# Altium PCB spin5v1_simple.PcbDoc (part 16 of 25)
Units mm, origin at the board's own origin, x right, y up, seen from the top; angles counter-clockwise.
Board outline 220.03 x 233.43 mm, 2 copper layers (TOP, BOTTOM), stack 0.176 mm thick; 1457 components, 4724 nets, 19245 pads, 25289 vias.
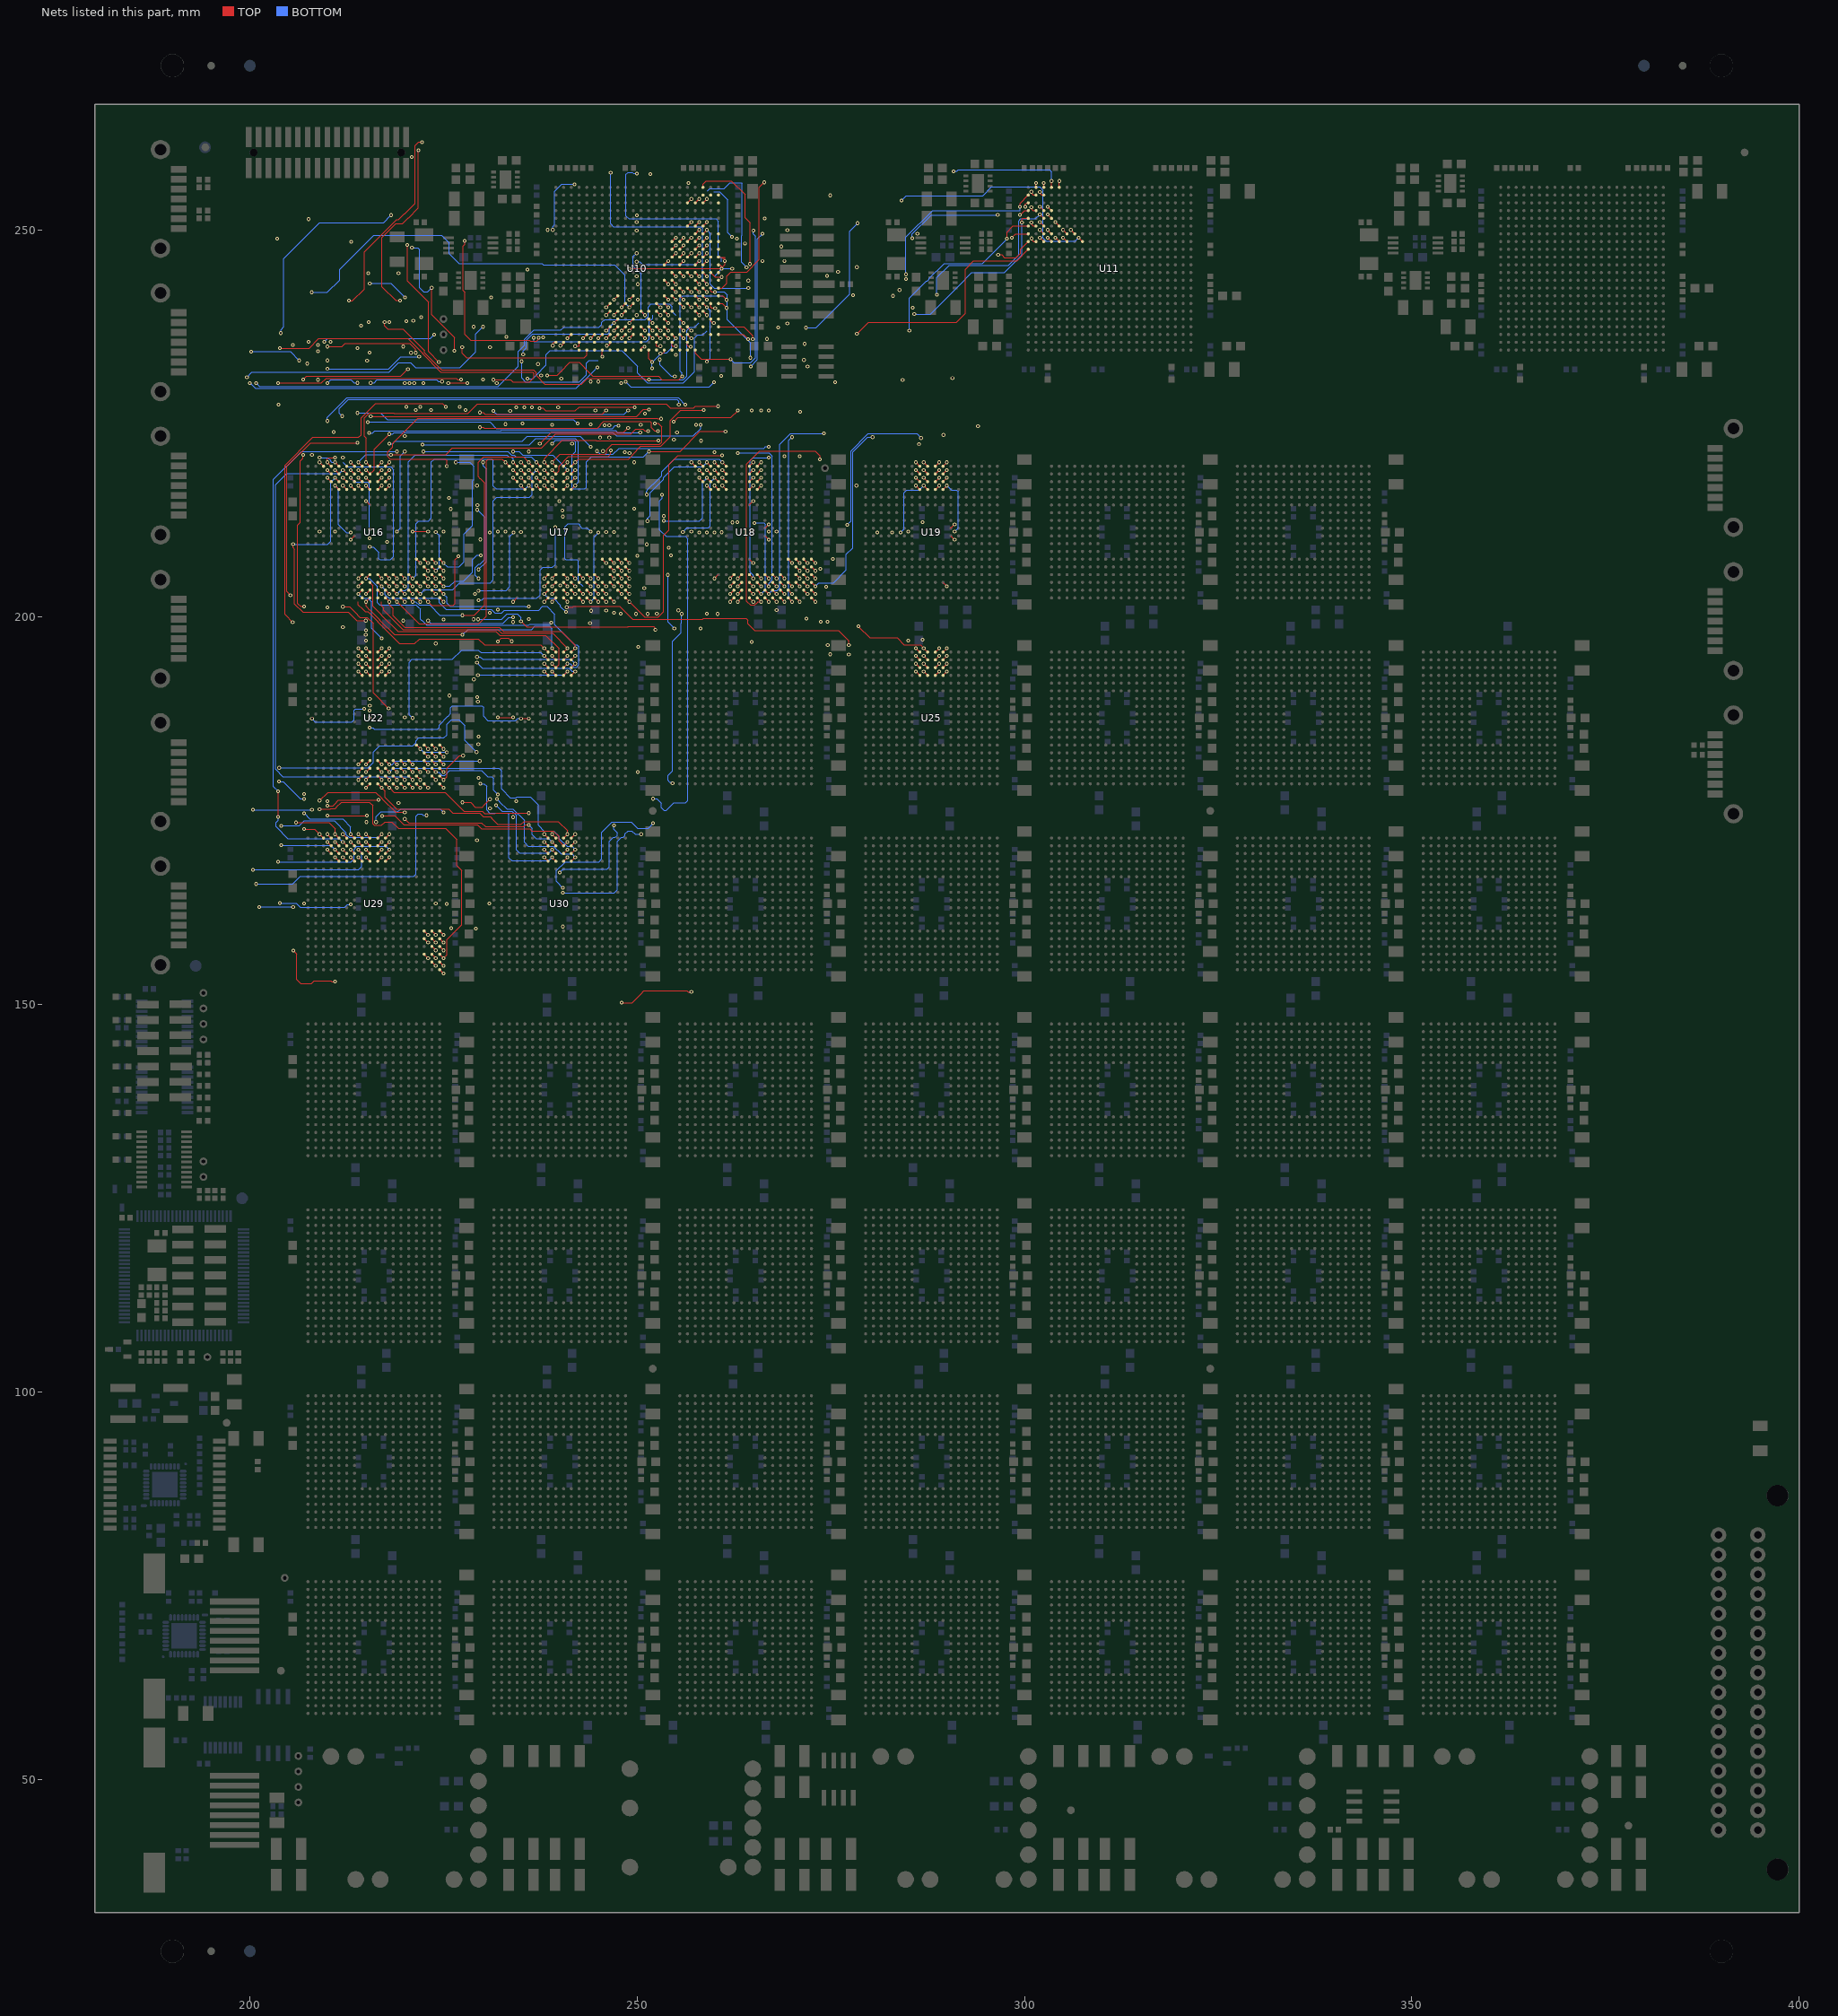
[diagram p16: the nets of this part, all layers, seen from the top]

## Via types
v1: diameter 0.48, hole 0.25, TOP to BOTTOM, 22348 vias
v2: diameter 0.61, hole 0.3, TOP to BOTTOM, 2059 vias
v3: diameter 0.8, hole 0, TOP to BOTTOM, 882 vias

## Nets (pads, with @x,y where several pads share a name; then routed paths per layer and width w, separated by ;. In a path a pad name is that pad's centre, name@x,y a point inside that pad or via, vN(x,y) a via of type N, cw(c..) or ccw(c..) an arc to the next point about the centre after c; other vN are vias at no path point) (continued)
S41_L2<2>: U10.U12 U29.N16 | length 13.2
  BOTTOM w0.127: v1(201.205,162.6) v1(205.572,162.6) ; v1(249.931,247) 249.5,246.569 249.5,245.324 250.5,244.324 250.5,239.5 v1(251,239)
  other v1: 223,159
S41_L2<3>: U10.U13 U29.N17 | length 18.8
  BOTTOM w0.127: v1(236.658,236.065) 236.658,235.569 251.188,235.569 251.569,235.95 251.569,238.178 252,238.609 252,239
  other v1: 224,159 225.403,163 229.327,171.2
S41_L2<4>: U10.V11 U29.N18 | length 47.7
  BOTTOM w0.127: v1(239.999,167.048) 240.43,167.479 246.113,167.479 246.431,167.797 246.431,171.061 246.939,171.569 247.178,171.569 247.431,171.822 247.431,172.178 247,172.609 v1(247,173.116) ; v1(248.532,230.384) 249.171,229.745 259.335,229.745 v1(259.935,230.345) ; v1(254.57,178.569) 254.416,178.723 254.16,178.723 253.961,178.922 253.961,179.594 254.543,180.176 254.543,196.876 255.685,198.018 255.685,199.21 255.751,199.276 v1(255.751,200.433)
  other v1: 225,159 250.093,180 259,210.931 258.249,222.78 249,238
S41_L2<5>: U10.V13 U29.P16 | length 12.6
  TOP w0.127: v1(237.4,227) 237.831,227 238.16,226.671 242.029,226.671 242.498,227.14 249.196,227.14 249.234,227.102 v1(249.665,227.102)
  other v1: 223,158 224,163.069 225.927,213.992 252,238
S41_L2<6>: U10.W11 U29.P17
  other v1: 224,158 234,199.389 240.069,204.099 249.007,221.2 249,237
S41_L2<7>: U10.W12 U29.P18 | length 17.4
  BOTTOM w0.127: v1(240.399,164.434) 247.05,164.434 247.431,164.815 247.431,171.061 247.939,171.569 248.178,171.569 248.431,171.822 248.431,172.05 248.812,172.431 249.311,172.431 249.742,172 v1(250.522,172)
  other v1: 225,158 251,237
S41_L2<8>: U10.W13 U29.V18 | length 9.7
  TOP w0.127: v1(248,150.234) 249.343,150.234 250.486,151.377 250.486,151.399 250.883,151.796 256.415,151.796 256.569,151.642 v1(257,151.642)
  other v1: 225,154 229.177,159.8 257,211.069 260.865,231.152 252,237
S41_L2<9>: U10.Y11 U29.R17
  other v1: 224,157 230.927,163.069 230.985,210.931 231,234.85 249,236
S41_L2<10>: U10.Y12 U29.R18
  other v1: 225,157 231,175.32 229.742,210.051 236.4,227.097 251,236
S41_L2<11>: U10.Y13 U29.T16
  other v1: 223,156 226.009,159.854 233.6,226.632 252,236
S41_L2<12>: U10.AA12 U29.T17 | length 9.3
  TOP w0.127: v1(205.61,156.962) 206.041,156.531 206.041,153.216 206.549,152.708 207.957,152.708 208.303,153.054 210.487,153.054 210.569,152.972 v1(211,152.972)
  other v1: 224,156 221.4,226.759 207.587,235.549
S41_L2<13>: U10.AB11 U29.T18 | length 38.4
  TOP w0.127: v1(209,175.226) 210.395,175.226 210.466,175.297 210.994,175.297 211.193,175.496 211.193,175.503 211.828,176.138 215.418,176.138 215.863,175.693 215.863,173.329 216.062,173.13 217.003,173.13 217.462,173.589 218.336,173.589 219.163,172.762 225.279,172.762 226.74,171.301 226.74,167.95 227.366,167.324 227.366,160.307 225.431,158.372 225.431,156.431 v1(225,156)
  other v1: 210.825,223.908 222.007,227.159 220.2,238.224
S41_L2<14>: U10.AB12 U29.U17 | length 2
  TOP w0.127: v1(232,187.067) v1(234,187.067)
  other v1: 224,155 236,199.751 250.037,207.931 250.951,234.901
S41_L2<15>: U10.AB13 U29.U18 | length 68.8
  BOTTOM w0.127: v1(240.399,165.065) 239.568,165.896 239.568,167.288 240.711,168.431 245.05,168.431 245.431,168.812 245.431,172.213 246.765,173.547 249.257,173.547 250.035,172.769 251.433,172.769 v1(252.064,173.4) ; v1(252.064,176.578) 252.56,176.578 253.132,176.006 253.132,175.405 253.45,175.087 253.779,175.087 254.718,176.026 256.229,176.026 256.547,176.344 256.547,210.113 256.229,210.431 253.737,210.431 252.911,211.257 252.911,215.055 253.225,215.369 v1(253.225,215.8)
  other v1: 225,155 240.399,160.067
S41_L3<0>: U10.R9 U29.D11 | length 26
  BOTTOM w0.127: v1(203.994,236.687) 203.994,237.118 204.363,237.487 204.363,246.319 208.999,250.955 217.265,250.955 v1(218.227,251.917)
  other v1: 218,169 247,241
S41_L3<1>: U10.R11 U29.A10 | length 14.4
  BOTTOM w0.127: v1(204.035,173.076) 206.396,173.076 207.029,173.709 210.907,173.709 212.431,172.185 212.431,171.95 212.812,171.569 216.569,171.569 v1(217,172)
  other v1: 249,241
S41_L3<2>: U10.T10 U29.B10 | length 11.5
  BOTTOM w0.127: v1(223,199.565) 223.351,199.214 232.665,199.214 233.447,199.996 v1(234,199.996)
  other v1: 217,171 247,211 248,240
S41_L3<3>: U10.T11 U29.C10 | length 51.6
  BOTTOM w0.127: v1(207.994,241.954) 210.003,241.954 211.591,243.542 211.591,244.907 215.973,249.289 224.754,249.289 225.707,248.336 225.707,246.955 226.977,245.685 237.71,245.685 237.883,245.512 247.097,245.512 248.431,244.178 248.431,240.569 v1(249,240)
  other v1: 207,163.066 217,170
S41_L3<4>: U10.U9 U29.D10
  other v1: 217,169 246.4,223.2 247,239
S41_L3<5>: U10.U10 U29.A11 | length 25.1
  TOP w0.127: v1(212.802,240.865) 213.245,240.865 214.769,242.389 214.769,247.141 218.96,251.332 219.207,251.332 219.944,252.069 219.994,252.069 221.328,253.403 221.328,260.888 221.773,261.333 v1(222.234,261.333)
  other v1: 218,172 215.487,188.6 248,239
S41_L3<6>: U10.V9 U29.B11 | length 14.6
  BOTTOM w0.127: v1(235.286,233.935) 235.286,234.366 235.693,234.773 235.693,235.743 236.519,236.569 246.232,236.569 246.431,236.768 246.431,237.431 v1(247,238)
  other v1: 218,171 219.8,234.949
S41_L3<7>: U10.W9 U29.C11 | length 43
  BOTTOM w0.127: v1(203.636,168.434) 213.05,168.434 213.431,168.815 213.431,170.05 213.812,170.431 217.569,170.431 v1(218,170) ; v1(218,222.4) 218.431,222.4 218.746,222.715 235.153,222.715 235.777,223.339 242.661,223.339 v1(244,222)
  other v1: 247,237 218,238.088
S41_L3<8>: U10.W10 U29.D9 | length 50.9
  TOP w0.127: v1(203.857,234.739) 207.651,234.739 208.892,235.98 220.381,235.98 222.286,234.075 222.286,234.011 224.636,231.661 236.496,231.661 236.695,231.462 236.695,230.94 236.123,230.368 233.97,230.368 233.677,230.661 v1(231.438,230.661)
  BOTTOM w0.127: v1(203.86,163.108) 205.988,163.108 206.527,162.569 212.207,162.569 212.569,162.931 v1(213,162.931)
  other v1: 215,169 239.931,214.997 248,237
S41_L3<9>: U10.Y9 U29.A8
  other v1: 214,172 245.2,223.2 247,236
S41_L3<10>: U10.Y10 U29.B8 | length 32.9
  BOTTOM w0.127: v1(215.2,225.201) 230.985,225.201 231.817,224.369 246.807,224.369 247.17,224.732 v1(247.601,224.732)
  other v1: 214,171 248,236
S41_L3<11>: U10.AA8 U29.C8 | length 51.6
  BOTTOM w0.127: v1(199.604,230.964) 200.27,231.63 217.977,231.63 219.209,232.862 220.776,232.862 221.408,232.23 227.099,232.23 229.131,234.262 229.131,236.545 229.202,236.616 229.219,236.616 v1(230.1,237.497) ; v1(200.404,167.411) 206.24,167.411 206.26,167.431 214.05,167.431 214.431,167.812 214.431,169.569 v1(214,170)
  other v1: 230.1,230.691 246.099,235.066
S41_L3<12>: U10.AA10 U29.D8
  other v1: 214,169 239.8,227.102 220.2,227.159 208.8,234.347
S41_L3<13>: U10.AB8 U29.A9
  other v1: 215,172 210,201.284 221.214,230.231 210.4,235.549
S41_L3<14>: U10.AB9 U29.B9
  other v1: 215,171 244.6,226.697
S41_L3<15>: U10.AB10 U29.C9 | length 62.8
  TOP w0.127: v1(205.522,199.361) 204.505,200.378 204.505,219.62 208.125,223.24 214.046,223.24 214.364,223.558 214.364,225.748 216.206,227.59 224.876,227.59 v1(225.307,227.159) ; v1(229.7,226.432) 230.131,226.432 230.362,226.201 245.504,226.201 v1(246,226.697)
  other v1: 215,170
S41_L4<0>: U10.T8 U29.D7
  other v1: 213,169 208,220.969 246,240 213.073,248.458
S41_L4<1>: U10.U8 U29.A6 | length 14.6
  BOTTOM w0.127: v1(209.6,235.549) 210.031,235.98 223.287,235.98 v1(223.807,236.5)
  other v1: 212,172 210,176.264 246,239
S41_L4<2>: U10.W8 U29.B6 | length 72.1
  TOP w0.127: v1(203.636,174.217) v1(203.636,177.546)
  BOTTOM w0.127: v1(203.636,174.217) 203.636,173.786 203.35,173.5 203.35,172.955 204.874,171.431 211.569,171.431 v1(212,171) ; v1(203.636,177.546) 203.05,178.132 203.05,217.78 206.67,221.4 v1(219,221.4)
  other v1: 233.1,236.183 246,237
S41_L4<3>: U10.Y3 U29.C6
  other v1: 212,170 241,236
S41_L4<4>: U10.Y5 U29.D6 | length 4.2
  BOTTOM w0.127: v1(203.735,178.8) 204.278,178.8 206.12,176.958 206.12,176.955 206.517,176.558 v1(207,176.558)
  other v1: 212,169 203.685,227.445 243,236 203.502,248.889 249.931,249.901 238.434,250
S41_L4<5>: U10.Y6 U29.A7 | length 36.7
  BOTTOM w0.127: v1(207,174.708) 207.745,173.963 211.984,173.963 213,172.947 v1(213,172) ; v1(213.867,226.371) 216.883,226.371 217.719,225.535 241.798,225.535 v1(242.333,225)
  other v1: 244,236
S41_L4<6>: U10.Y7 U29.B7
  other v1: 213,171 207,177.165 222.407,230.231 207.4,232.753 245,236
S41_L4<7>: U10.Y8 U29.C7 | length 53.9
  BOTTOM w0.127: v1(200.004,230.23) 200.689,229.545 242.145,229.545 244.431,231.831 ; v1(200.404,175.139) v1(208,175.139) ; 244.431,231.832 v1(244.865,232.266)
  other v1: 213,170 246,236
S41_L4<8>: U10.AA1 U29.D5 | length 12.5
  BOTTOM w0.127: v1(210,232.061) 217.917,232.061 219.486,233.63 v1(221.855,233.63)
  other v1: 211,169 239.099,235.066
S41_L4<9>: U10.AA2 U29.A3 | length 2.3
  TOP w0.127: v1(206.984,172.646) 208.354,172.646 v1(209,172)
  other v1: 208.8,230.661 215.139,233.118 240.099,235.067
S41_L4<10>: U10.AA4 U29.A4 | length 4.2
  BOTTOM w0.127: v1(210,230.23) 210.431,230.661 213.036,230.661 213.436,230.261 v1(213.867,230.261)
  other v1: 210,172 242,235
S41_L4<11>: U10.AA6 U29.B4 | length 12.4
  TOP w0.127: v1(210,234.942) 211.882,234.942 212.32,235.38 220.62,235.38 221.414,234.586 v1(221.414,234.137)
  other v1: 210,171
S41_L4<12>: U10.AB4 U29.C4 | length 34.6
  TOP w0.127: v1(206.875,220.969) 206.875,220.538 206.506,220.169 206.506,212.262 206.138,211.894 206.138,201.79 206.535,201.393 v1(207,201.393) ; v1(206.875,230.676) 207.314,231.115 219.491,231.115 v1(220.407,232.031)
  other v1: 210,170
S41_L4<13>: U10.AB5 U29.A5 | length 51.2
  TOP w0.127: v1(205.229,202.854) 204.759,203.324 204.759,219.468 207.807,222.516 v1(213.867,222.516) ; v1(205.965,173.508) 210.206,173.508 211,172.714 v1(211,172) ; v1(227.406,234.864) 227.406,234.076 227.978,233.504 243.182,233.504 243.5,233.822 U10.AB5@243.5,234.5
S41_L4<14>: U10.AB6 U29.B5
  other v1: 211,171 210,233.153 220.807,234.137
S41_L4<15>: U10.AB7 U29.C5 | length 45.4
  TOP w0.127: v1(203.639,230.23) 209.231,230.23 209.862,230.861 226.659,230.861 226.829,230.691 v1(227.26,230.691)
  BOTTOM w0.127: v1(204.034,170.566) 210.434,170.566 v1(211,170) ; v1(235.086,233.03) 235.086,230.876 235.594,230.368 242.499,230.368 243.452,231.321 243.452,232.81 243.77,233.128 244.965,233.128
  other v1: 245.5,233.625
S42_L0<0>: U22.R11 U30.D11 | length 26.7
  BOTTOM w0.127: v1(218,181) 218.391,181 218.822,181.431 v1(229.665,181.431) ; v1(231.9,176.531) 232.231,176.2 232.231,176.182 233.184,175.229 233.97,175.229 235.431,173.768 235.431,170.939 235.939,170.431 239.185,170.431 240.185,169.431 241.569,169.431 v1(242,169)
S42_L0<1>: U22.V10 U30.A10 | length 27.6
  TOP w0.127: v1(217,178) 217.431,177.569 217.431,176.77 218.955,175.246 225.676,175.246 226.201,174.721 229.659,174.721 230.149,174.231 231.075,174.231 231.202,174.104 231.202,174.046 231.996,173.252 234.994,173.252 235.389,173.647 239.793,173.647 241,172.44 v1(241,172)
S42_L0<2>: U22.U10 U30.B10 | length 25.4
  TOP w0.127: v1(217.083,174.361) 218.715,174.361 219.86,173.216 229.384,173.216 229.915,172.685 236.127,172.685 236.381,172.431 239.192,172.431 239.891,171.732 239.891,171.109 U30.B10@240.5,170.5
  other v1: 241,171 217,179
S42_L0<3>: U22.T10 U30.C10
  other v1: 241,170 234.4,176.27 217,180
S42_L0<4>: U22.R10 U30.D10
  other v1: 241,169 217,181
S42_L0<5>: U22.V11 U30.A11 | length 19.4
  TOP w0.127: v1(218,178) 218.597,177.403 225.233,177.403 227.661,174.975 229.988,174.975 230.328,174.635 231.642,174.635 231.728,174.721 v1(236,174.721)
  other v1: 242,172
S42_L0<6>: U22.U11 U30.B11
  other v1: 242,171 218,179
S42_L0<7>: U22.T11 U30.C11 | length 31.7
  BOTTOM w0.127: v1(218,180) 218.493,180.493 232.167,180.493 232.485,180.175 232.485,177.844 233.628,176.701 234.392,176.701 234.47,176.779 236.215,176.779 237.231,175.763 237.231,173.13 237.93,172.431 239.24,172.431 239.939,171.732 239.939,171.447 240.955,170.431 241.569,170.431 v1(242,170)
S42_L0<8>: U22.R9 U30.D9 | length 28.6
  BOTTOM w0.127: v1(216.294,173.561) 216.294,174.231 216.929,174.866 219.078,174.866 219.458,175.246 224.569,175.246 v1(225,174.815) ; v1(229.764,178.501) 230.251,178.501 230.569,178.183 230.569,175.118 230.966,174.721 233.232,174.721 233.431,174.522 233.431,168.949 233.812,168.568 238.568,168.568 v1(239,169)
  other v1: 215,181
S42_L0<9>: U22.V8 U30.A8
  other v1: 238,172 219.191,176.015
S42_L0<10>: U22.U8 U30.B8 | length 24.1
  TOP w0.127: v1(235,186.931) v1(236,186.931)
  BOTTOM w0.127: v1(215.447,185.742) 215.878,185.742 216.051,185.569 224.232,185.569 224.431,185.768 224.431,186.092 225.574,187.235 225.591,187.235 225.909,187.553 225.909,188.335 226.163,188.589 229.961,188.589 230.16,188.39 230.16,187.208 230.732,186.636 234.274,186.636 234.569,186.931 v1(235,186.931)
  other v1: 238,171 214,179
S42_L0<11>: U22.T8 U30.C8 | length 4.3
  TOP w0.127: v1(227.427,176.109) 228.486,176.109 229.106,175.489 229.998,175.489 230.316,175.807 230.316,175.836 v1(231,176.52)
  other v1: 238,170 214,180
S42_L0<12>: U22.R8 U30.D8
  other v1: 238,169 214,181
S42_L0<13>: U22.V9 U30.A9
  other v1: 239,172 233.999,174.202 215,178
S42_L0<14>: U22.U9 U30.B9 | length 20.9
  TOP w0.127: v1(220,173.961) 220.491,173.47 229.921,173.47 230.393,172.998 235.367,172.998 235.569,173.2 v1(236,173.2)
  BOTTOM w0.127: v1(236,173.2) 236.431,172.769 236.431,171.939 236.939,171.431 238.569,171.431 v1(239,171)
  other v1: 215.058,173.561 215,179
S42_L0<15>: U22.T9 U30.C9 | length 12.5
  BOTTOM w0.127: v1(231.8,175.72) 232.545,174.975 233.859,174.975 234.431,174.403 234.431,169.949 234.812,169.568 238.568,169.568 v1(239,170)
  other v1: 215,180
S42_L1<0>: U16.D7 U22.V16
  other v1: 223,178 229.514,179.278 225.763,189.887 217.705,209.742 213,217
S42_L1<1>: U16.A6 U22.V14 | length 22.6
  BOTTOM w0.127: 212,220 212.569,219.431 218.18,219.431 218.561,219.05 218.561,207.831 218.164,207.434 216.783,207.434 216.656,207.561 216.656,208.373 215.957,209.072 v1(215.487,209.072)
  other v1: 221,178 215,198.337
S42_L1<2>: U16.B6 U22.U14 | length 64.5
  BOTTOM w0.127: v1(212,219) 211.569,218.569 204.765,218.569 203.304,217.108 203.304,180.384 204.257,179.431 220.569,179.431 v1(221,179)
S42_L1<3>: U16.C6 U22.T14
  other v1: 221,180 212,218
S42_L1<4>: U16.D6 U22.R14
  other v1: 221,181 211,211.067 212,217
S42_L1<5>: U16.A7 U22.V15
  other v1: 222,178 213,220
S42_L1<6>: U16.B7 U22.U15
  other v1: 222,179 212,198.737 213,219 212,220.607
S42_L1<7>: U16.C7 U22.T15 | length 8.6
  BOTTOM w0.127: v1(213,218) 213.569,217.431 215.18,217.431 215.434,217.177 v1(215.434,211.365)
  other v1: 222,180 214.958,197.73 215,215
S42_L1<8>: U16.D5 U22.R13 | length 7.2
  BOTTOM w0.127: v1(211,217) 211.432,216.568 211.432,211.947 212.448,210.931 v1(213,210.931)
  other v1: 220,181 215.487,189.465 213,210
S42_L1<9>: U16.A3 U22.V12 | length 6.9
  TOP w0.127: v1(210,175.657) 210.74,175.657 210.939,175.856 210.939,175.884 211.447,176.392 216.147,176.392 216.17,176.415 v1(216.601,176.415)
  other v1: 219,178 209,220
S42_L1<10>: U16.A4 U22.U12 | length 18.2
  TOP w0.127: v1(210,220) 210,220.48 210.127,220.607 v1(211,220.607) ; v1(212,201.365) 212.869,201.365 213.504,200.73 213.504,200.702 214.21,199.996 215.156,199.996 215.918,199.234 215.918,190.236 v1(217.912,188.242)
  other v1: 219,179
S42_L1<11>: U16.B4 U22.T12 | length 5.1
  TOP w0.127: v1(210,174.394) v1(215.089,174.394)
  other v1: 219,180 209,211.067 210,219
S42_L1<12>: U16.C4 U22.R12 | length 8.3
  BOTTOM w0.127: v1(208,186.931) 208.431,186.5 213.185,186.5 213.439,186.754 213.439,187.973 213.638,188.172 v1(214.737,188.172)
  other v1: 219,181 210,218
S42_L1<13>: U16.A5 U22.V13 | length 14.8
  TOP w0.127: v1(209,176.334) 210.069,177.403 216.238,177.403 217.032,176.609 217.032,176.593 218.81,174.815 v1(220,174.815)
  BOTTOM w0.127: v1(209,220.607) 210.034,220.607 210.431,220.21 210.431,220.127 210.558,220 v1(211,220)
  other v1: 220,178
S42_L1<14>: U16.B5 U22.U13
  other v1: 220,179 215.447,187.965 215.434,210.173 211,219
S42_L1<15>: U16.C5 U22.T13 | length 31.3
  TOP w0.127: v1(205.569,209.431) 205.569,209 205.775,208.794 205.775,201.733 206.855,200.653 212.71,200.653 213.798,199.565 v1(214.958,199.565)
  BOTTOM w0.127: v1(205.569,209.431) 210.05,209.431 210.431,209.812 210.431,217.431 v1(211,218)
  other v1: 220,180 219.8,199.565
S42_L2<0>: U10.M16 U22.R16 | length 32.6
  BOTTOM w0.127: v1(203.785,180.569) 215.24,180.569 215.939,181.268 215.939,182.605 216.765,183.431 221.05,183.431 221.431,183.812 221.431,184.05 221.812,184.431 225.05,184.431 225.431,184.812 225.431,186.194 226.003,186.766 226.992,186.766 227.754,186.004 227.754,184.1 v1(229.265,182.589)
  other v1: 223,181 255,244 207.59,251.387
S42_L2<1>: U10.N16 U22.N15 | length 22.2
  BOTTOM w0.127: v1(222,183) 222.432,182.568 v1(225.431,182.568) ; v1(229.503,202.2) 229.934,202.2 230.165,202.431 237.048,202.431 237.493,202.876 237.493,206.113 237.811,206.431 239.053,206.431 239.434,206.812 v1(239.434,211.631)
  other v1: 255,243
S42_L2<2>: U10.P16 U22.N16 | length 9.5
  BOTTOM w0.127: v1(215.6,230.261) 216.031,230.261 216.432,230.662 224.136,230.662 224.368,230.43 v1(224.799,230.43)
  other v1: 223,183 215.435,187.035 255,242
S42_L2<3>: U10.P17 U22.N17
  other v1: 224,183 229.435,189.096 240.331,213.77 256,242
S42_L2<4>: U10.R16 U22.N18
  other v1: 225,183 229.342,189.703 235,210.999 240.422,213 255,241
S42_L2<5>: U10.R17 U22.P16
  other v1: 223,182 220,230.23 244,230.43 256,241
S42_L2<6>: U10.T17 U22.P17 | length 10
  BOTTOM w0.127: v1(229.359,213.865) 230.279,212.945 230.279,207.415 229.707,206.843 229.528,206.843 229.083,206.398 229.083,205.432 v1(229.515,205)
  other v1: 224,182 256,240
S42_L2<7>: U10.U16 U22.P18 | length 92.4
  BOTTOM w0.127: v1(200.805,165.569) 205.507,165.569 206.504,166.566 221.177,166.566 221.431,166.82 221.431,174.291 221.749,174.609 222.192,174.609 222.369,174.432 v1(222.8,174.432) ; v1(200.805,230.23) 201.236,229.799 232.051,229.799 234.655,232.403 234.655,234.339 235.439,235.123 235.439,235.855 236.646,237.062 240.177,237.062 240.547,237.432 245.05,237.432 245.431,237.813 245.431,238.05 245.812,238.431 251.05,238.431 251.431,238.812 251.431,240.05 251.812,240.431 254.191,240.431 254.509,240.113 254.509,239.491 255,239
  other v1: 225,182
S42_L2<8>: U10.V17 U22.V18 | length 2.1
  TOP w0.127: v1(232,196.862) 232.431,197.293 233.4,197.293 v1(233.8,196.893)
  other v1: 225,178 229.49,183.6 246,211 245.6,221.455 256,238
S42_L2<9>: U10.W17 U22.R17
  other v1: 224,181 249.607,220 256,237
S42_L2<10>: U10.Y16 U22.R18 | length 5.5
  BOTTOM w0.127: v1(251.931,232.133) 251.931,232.888 253.201,234.158 253.796,234.158 254.431,234.793 254.431,235.431 v1(255,236)
  other v1: 225,181 229.535,184.6 235.2,225 251.951,232.954 253,234.065
S42_L2<11>: U10.Y17 U22.T16
  other v1: 223,180 256,236
S42_L2<12>: U10.AA16 U22.T17 | length 10.7
  BOTTOM w0.127: v1(224,180) 224.391,180 224.822,179.569 225.178,179.569 225.482,179.873 225.482,179.921 225.8,180.239 229.912,180.239 230.72,179.431 231.216,179.431 231.47,179.177 231.47,177.668 v1(232,177.138)
  other v1: 232,211.067 249.607,214.007 229.373,214.472 255,235
S42_L2<13>: U10.AA18 U22.T18
  other v1: 225,180 225,211.068 233,224.925 256.931,234.901
S42_L2<14>: U10.AB17 U22.U17
  other v1: 224,179 225,199.705
S42_L2<15>: U10.AB18 U22.U18 | length 28.9
  TOP w0.127: v1(225,179) 225.431,179.431 225.431,180.486 227.082,182.137 v1(227.516,182.137) ; v1(235,199.493) 235.746,198.747 248.811,198.747 248.853,198.789 252.119,198.789 252.359,198.549 v1(252.359,198.358)
  BOTTOM w0.127: v1(229.472,199.744) 232.51,199.744 233.193,200.427 234.555,200.427 235,199.982 v1(235,199.493)
  other v1: 228.922,191.974
S42_L3<0>: U10.L15 U22.D11
  other v1: 218,193 234.4,227.102 254,246
S42_L3<1>: U10.N15 U22.A10
  other v1: 217,196 214.999,197 222.107,238.76 250.069,241 254,243
S42_L3<2>: U10.R15 U22.B10
  other v1: 217,195 254,241
S42_L3<3>: U10.T14 U22.C10

## Text inside footprints (layer, text, board x,y; h text height)
U10: PIN_NUMBER "B14" at 251.54,254.75 h0.8; PIN_NUMBER "A14" at 251.54,255.75 h0.8; PIN_NUMBER "D13" at 250.54,252.75 h0.8; PIN_NUMBER "C13" at 250.54,253.75 h0.8; PIN_NUMBER "C3" at 240.86,253.75 h0.8; PIN_NUMBER "Y19" at 256.54,236.75 h0.8; PIN_NUMBER "AA21" at 258.22,235.75 h0.8; PIN_NUMBER "Y4" at 241.86,236.75 h0.8; PIN_NUMBER "F17" at 254.54,250.75 h0.8; PIN_NUMBER "V6" at 243.86,238.75 h0.8; PIN_NUMBER "U11" at 248.54,239.75 h0.8; PIN_NUMBER "R6" at 243.86,241.75 h0.8; PIN_NUMBER "R10" at 247.54,241.75 h0.8; PIN_NUMBER "R12" at 249.54,241.75 h0.8; PIN_NUMBER "M15" at 252.54,244.75 h0.8; PIN_NUMBER "L8" at 245.86,245.75 h0.8; PIN_NUMBER "K15" at 252.54,246.75 h0.8; PIN_NUMBER "H9" at 246.86,248.75 h0.8; PIN_NUMBER "G12" at 249.54,249.75 h0.8; PIN_NUMBER "H15" at 252.54,248.75 h0.8; PIN_NUMBER "F11" at 248.54,250.75 h0.8; PIN_NUMBER "N8" at 245.86,243.75 h0.8; PIN_NUMBER "A7" at 244.86,255.75 h0.8; PIN_NUMBER "E8" at 245.86,251.75 h0.8; PIN_NUMBER "D8" at 245.86,252.75 h0.8; PIN_NUMBER "B9" at 246.86,254.75 h0.8; PIN_NUMBER "C10" at 247.54,253.75 h0.8; PIN_NUMBER "E10" at 247.54,251.75 h0.8; PIN_NUMBER "D12" at 249.54,252.75 h0.8; PIN_NUMBER "B13" at 250.54,254.75 h0.8; PIN_NUMBER "E13" at 250.54,251.75 h0.8; PIN_NUMBER "D14" at 251.54,252.75 h0.8; PIN_NUMBER "A15" at 252.54,255.75 h0.8; PIN_NUMBER "G17" at 254.54,249.75 h0.8; PIN_NUMBER "B16" at 253.54,254.75 h0.8; PIN_NUMBER "A16" at 253.54,255.75 h0.8; PIN_NUMBER "E18" at 255.54,251.75 h0.8; PIN_NUMBER "D15" at 252.54,252.75 h0.8; PIN_NUMBER "C15" at 252.54,253.75 h0.8; PIN_NUMBER "AA3" at 240.54,235.75 h0.8; PIN_NUMBER "AB20" at 257.22,234.75 h0.8; PIN_NUMBER "B8" at 245.86,254.75 h0.8; PIN_NUMBER "A8" at 245.86,255.75 h0.8; PIN_NUMBER "D9" at 246.86,252.75 h0.8; PIN_NUMBER "C9" at 246.86,253.75 h0.8; PIN_NUMBER "B6" at 243.86,254.75 h0.8; PIN_NUMBER "A6" at 243.86,255.75 h0.8; PIN_NUMBER "D7" at 244.86,252.75 h0.8; PIN_NUMBER "C7" at 244.86,253.75 h0.8; PIN_NUMBER "A12" at 249.54,255.75 h0.8; PIN_NUMBER "A10" at 247.54,255.75 h0.8; PIN_NUMBER "B10" at 247.54,254.75 h0.8; PIN_NUMBER "B12" at 249.54,254.75 h0.8; PIN_NUMBER "E9" at 246.86,251.75 h0.8; PIN_NUMBER "D11" at 248.54,252.75 h0.8; PIN_NUMBER "F12" at 249.54,250.75 h0.8; PIN_NUMBER "C11" at 248.54,253.75 h0.8; PIN_NUMBER "E12" at 249.54,251.75 h0.8; PIN_NUMBER "D5" at 242.86,252.75 h0.8; PIN_NUMBER "F9" at 246.86,250.75 h0.8; PIN_NUMBER "G8" at 245.86,249.75 h0.8; PIN_NUMBER "H11" at 248.54,248.75 h0.8; PIN_NUMBER "H10" at 247.54,248.75 h0.8; PIN_NUMBER "F10" at 247.54,250.75 h0.8; PIN_NUMBER "G9" at 246.86,249.75 h0.8; PIN_NUMBER "G11" at 248.54,249.75 h0.8; PIN_NUMBER "H12" at 249.54,248.75 h0.8; PIN_NUMBER "F15" at 252.54,250.75 h0.8; PIN_NUMBER "F14" at 251.54,250.75 h0.8; PIN_NUMBER "F16" at 253.54,250.75 h0.8; PIN_NUMBER "E16" at 253.54,251.75 h0.8; PIN_NUMBER "G13" at 250.54,249.75 h0.8; PIN_NUMBER "H13" at 250.54,248.75 h0.8; PIN_NUMBER "G15" at 252.54,249.75 h0.8; PIN_NUMBER "H14" at 251.54,248.75 h0.8; PIN_NUMBER "E6" at 243.86,251.75 h0.8; PIN_NUMBER "E5" at 242.86,251.75 h0.8; PIN_NUMBER "C17" at 254.54,253.75 h0.8; PIN_NUMBER "A18" at 255.54,255.75 h0.8; PIN_NUMBER "A19" at 256.54,255.75 h0.8; PIN_NUMBER "D17" at 254.54,252.75 h0.8; PIN_NUMBER "C4" at 241.86,253.75 h0.8; PIN_NUMBER "F8" at 245.86,250.75 h0.8; PIN_NUMBER "F7" at 244.86,250.75 h0.8; PIN_NUMBER "C5" at 242.86,253.75 h0.8; PIN_NUMBER "V20" at 257.54,238.75 h0.8; PIN_NUMBER "V18" at 255.54,238.75 h0.8; PIN_NUMBER "U17" at 254.54,239.75 h0.8; PIN_NUMBER "P15" at 252.54,242.75 h0.8; PIN_NUMBER "T16" at 253.54,240.75 h0.8; PIN_NUMBER "AB2" at 239.54,234.75 h0.8; PIN_NUMBER "G16" at 253.54,249.75 h0.8; PIN_NUMBER "AB21" at 258.22,234.75 h0.8; PIN_NUMBER "AA20" at 257.22,235.75 h0.8; PIN_NUMBER "Y20" at 257.54,236.75 h0.8; PIN_NUMBER "U18" at 255.54,239.75 h0.8; PIN_NUMBER "L16" at 253.54,245.75 h0.8; PIN_NUMBER "J18" at 255.54,247.75 h0.8; PIN_NUMBER "E19" at 256.54,251.75 h0.8; PIN_NUMBER "B4" at 241.86,254.75 h0.8; PIN_NUMBER "F6" at 243.86,250.75 h0.8; PIN_NUMBER "G10" at 247.54,249.75 h0.8; PIN_NUMBER "G14" at 251.54,249.75 h0.8; PIN_NUMBER "A17" at 254.54,255.75 h0.8; PIN_NUMBER "E17" at 254.54,251.75 h0.8; PIN_NUMBER "B19" at 256.54,254.75 h0.8; PIN_NUMBER "L7" at 244.86,245.75 h0.8; PIN_NUMBER "F4" at 241.86,250.75 h0.8; PIN_NUMBER "V8" at 245.86,238.75 h0.8; PIN_NUMBER "T9" at 246.86,240.75 h0.8; PIN_NUMBER "V12" at 249.54,238.75 h0.8; PIN_NUMBER "T13" at 250.54,240.75 h0.8; PIN_NUMBER "V16" at 253.54,238.75 h0.8; PIN_NUMBER "C2" at 239.86,253.75 h0.8; PIN_NUMBER "C21" at 258.54,253.75 h0.8; PIN_NUMBER "R2" at 239.86,241.75 h0.8; PIN_NUMBER "G2" at 239.86,249.75 h0.8; PIN_NUMBER "AA7" at 244.54,235.75 h0.8; PIN_NUMBER "AA19" at 256.22,235.75 h0.8; PIN_NUMBER "W21" at 258.54,237.75 h0.8; PIN_NUMBER "L21" at 258.54,245.75 h0.8; PIN_NUMBER "G21" at 258.54,249.75 h0.8; PIN_NUMBER "R21" at 258.54,241.75 h0.8; PIN_NUMBER "AA11" at 248.22,235.75 h0.8; PIN_NUMBER "L2" at 239.86,245.75 h0.8; PIN_NUMBER "AB3" at 240.54,234.75 h0.8; PIN_NUMBER "AA15" at 252.22,235.75 h0.8; PIN_NUMBER "W2" at 239.86,237.75 h0.8; PIN_NUMBER "N18" at 255.54,243.75 h0.8; PIN_NUMBER "U5" at 242.86,239.75 h0.8; PIN_NUMBER "N5" at 242.86,243.75 h0.8; PIN_NUMBER "J5" at 242.86,247.75 h0.8; PIN_NUMBER "W5" at 242.86,237.75 h0.8; PIN_NUMBER "J10" at 247.54,247.75 h0.8; PIN_NUMBER "J12" at 249.54,247.75 h0.8; PIN_NUMBER "J14" at 251.54,247.75 h0.8; PIN_NUMBER "J8" at 245.86,247.75 h0.8; PIN_NUMBER "K11" at 248.54,246.75 h0.8; PIN_NUMBER "K13" at 250.54,246.75 h0.8; PIN_NUMBER "K9" at 246.86,246.75 h0.8; PIN_NUMBER "L10" at 247.54,245.75 h0.8; PIN_NUMBER "L12" at 249.54,245.75 h0.8; PIN_NUMBER "L14" at 251.54,245.75 h0.8; PIN_NUMBER "M11" at 248.54,244.75 h0.8; PIN_NUMBER "M13" at 250.54,244.75 h0.8; PIN_NUMBER "M9" at 246.86,244.75 h0.8; PIN_NUMBER "P11" at 248.54,242.75 h0.8; PIN_NUMBER "P13" at 250.54,242.75 h0.8; PIN_NUMBER "P9" at 246.86,242.75 h0.8; PIN_NUMBER "R14" at 251.54,241.75 h0.8; PIN_NUMBER "N10" at 247.54,243.75 h0.8; PIN_NUMBER "N12" at 249.54,243.75 h0.8; PIN_NUMBER "N14" at 251.54,243.75 h0.8; PIN_NUMBER "D20" at 257.54,252.75 h0.8; PIN_NUMBER "A21" at 258.54,255.75 h0.8; PIN_NUMBER "D19" at 256.54,252.75 h0.8; PIN_NUMBER "D18" at 255.54,252.75 h0.8; PIN_NUMBER "C22" at 259.54,253.75 h0.8; PIN_NUMBER "C20" at 257.54,253.75 h0.8; PIN_NUMBER "C19" at 256.54,253.75 h0.8; PIN_NUMBER "C18" at 255.54,253.75 h0.8; PIN_NUMBER "B22" at 259.54,254.75 h0.8; PIN_NUMBER "B21" at 258.54,254.75 h0.8; PIN_NUMBER "B20" at 257.54,254.75 h0.8; PIN_NUMBER "F22" at 259.54,250.75 h0.8; PIN_NUMBER "F21" at 258.54,250.75 h0.8; PIN_NUMBER "E22" at 259.54,251.75 h0.8; PIN_NUMBER "E20" at 257.54,251.75 h0.8; PIN_NUMBER "D22" at 259.54,252.75 h0.8; PIN_NUMBER "D21" at 258.54,252.75 h0.8; PIN_NUMBER "A20" at 257.54,255.75 h0.8; PIN_NUMBER "L17" at 254.54,245.75 h0.8; PIN_NUMBER "K22" at 259.54,246.75 h0.8; PIN_NUMBER "K21" at 258.54,246.75 h0.8; PIN_NUMBER "K20" at 257.54,246.75 h0.8; PIN_NUMBER "K19" at 256.54,246.75 h0.8; PIN_NUMBER "K18" at 255.54,246.75 h0.8; PIN_NUMBER "K17" at 254.54,246.75 h0.8; PIN_NUMBER "K16" at 253.54,246.75 h0.8; PIN_NUMBER "J17" at 254.54,247.75 h0.8; PIN_NUMBER "M22" at 259.54,244.75 h0.8; PIN_NUMBER "M21" at 258.54,244.75 h0.8; PIN_NUMBER "M20" at 257.54,244.75 h0.8; PIN_NUMBER "L22" at 259.54,245.75 h0.8; PIN_NUMBER "L20" at 257.54,245.75 h0.8; PIN_NUMBER "L19" at 256.54,245.75 h0.8; PIN_NUMBER "J16" at 253.54,247.75 h0.8; PIN_NUMBER "H19" at 256.54,248.75 h0.8; PIN_NUMBER "H18" at 255.54,248.75 h0.8; PIN_NUMBER "H17" at 254.54,248.75 h0.8; PIN_NUMBER "H16" at 253.54,248.75 h0.8; PIN_NUMBER "G22" at 259.54,249.75 h0.8; PIN_NUMBER "G20" at 257.54,249.75 h0.8; PIN_NUMBER "G19" at 256.54,249.75 h0.8; PIN_NUMBER "F20" at 257.54,250.75 h0.8; PIN_NUMBER "F19" at 256.54,250.75 h0.8; PIN_NUMBER "J22" at 259.54,247.75 h0.8; PIN_NUMBER "J20" at 257.54,247.75 h0.8; PIN_NUMBER "J19" at 256.54,247.75 h0.8; PIN_NUMBER "H22" at 259.54,248.75 h0.8; PIN_NUMBER "H21" at 258.54,248.75 h0.8; PIN_NUMBER "H20" at 257.54,248.75 h0.8; PIN_NUMBER "F18" at 255.54,250.75 h0.8; PIN_NUMBER "W18" at 255.54,237.75 h0.8; PIN_NUMBER "V22" at 259.54,238.75 h0.8; PIN_NUMBER "V21" at 258.54,238.75 h0.8; PIN_NUMBER "V19" at 256.54,238.75 h0.8; PIN_NUMBER "U19" at 256.54,239.75 h0.8; PIN_NUMBER "T19" at 256.54,240.75 h0.8; PIN_NUMBER "T18" at 255.54,240.75 h0.8; PIN_NUMBER "R19" at 256.54,241.75 h0.8; PIN_NUMBER "P19" at 256.54,242.75 h0.8; PIN_NUMBER "AB19" at 256.22,234.75 h0.8; PIN_NUMBER "Y22" at 259.54,236.75 h0.8; PIN_NUMBER "Y21" at 258.54,236.75 h0.8; PIN_NUMBER "Y18" at 255.54,236.75 h0.8; PIN_NUMBER "W22" at 259.54,237.75 h0.8; PIN_NUMBER "W20" at 257.54,237.75 h0.8; PIN_NUMBER "P18" at 255.54,242.75 h0.8; PIN_NUMBER "R20" at 257.54,241.75 h0.8; PIN_NUMBER "P22" at 259.54,242.75 h0.8; PIN_NUMBER "P21" at 258.54,242.75 h0.8; PIN_NUMBER "P20" at 257.54,242.75 h0.8; PIN_NUMBER "N22" at 259.54,243.75 h0.8; PIN_NUMBER "N20" at 257.54,243.75 h0.8; PIN_NUMBER "N19" at 256.54,243.75 h0.8; PIN_NUMBER "M19" at 256.54,244.75 h0.8; PIN_NUMBER "M18" at 255.54,244.75 h0.8; PIN_NUMBER "U22" at 259.54,239.75 h0.8; PIN_NUMBER "U20" at 257.54,239.75 h0.8; PIN_NUMBER "T22" at 259.54,240.75 h0.8; PIN_NUMBER "T21" at 258.54,240.75 h0.8; PIN_NUMBER "T20" at 257.54,240.75 h0.8; PIN_NUMBER "R22" at 259.54,241.75 h0.8; PIN_NUMBER "M17" at 254.54,244.75 h0.8; PIN_NUMBER "W15" at 252.54,237.75 h0.8; PIN_NUMBER "W14" at 251.54,237.75 h0.8; PIN_NUMBER "V15" at 252.54,238.75 h0.8; PIN_NUMBER "U15" at 252.54,239.75 h0.8; PIN_NUMBER "U14" at 251.54,239.75 h0.8; PIN_NUMBER "T15" at 252.54,240.75 h0.8; PIN_NUMBER "T14" at 251.54,240.75 h0.8; PIN_NUMBER "R15" at 252.54,241.75 h0.8; PIN_NUMBER "N15" at 252.54,243.75 h0.8; PIN_NUMBER "AB16" at 253.22,234.75 h0.8; PIN_NUMBER "AB15" at 252.22,234.75 h0.8; PIN_NUMBER "AB14" at 251.22,234.75 h0.8; PIN_NUMBER "AA14" at 251.22,235.75 h0.8; PIN_NUMBER "Y15" at 252.54,236.75 h0.8; PIN_NUMBER "Y14" at 251.54,236.75 h0.8; PIN_NUMBER "L15" at 252.54,245.75 h0.8; PIN_NUMBER "W17" at 254.54,237.75 h0.8; PIN_NUMBER "V17" at 254.54,238.75 h0.8; PIN_NUMBER "U16" at 253.54,239.75 h0.8; PIN_NUMBER "T17" at 254.54,240.75 h0.8; PIN_NUMBER "R17" at 254.54,241.75 h0.8; PIN_NUMBER "R16" at 253.54,241.75 h0.8; PIN_NUMBER "P17" at 254.54,242.75 h0.8; PIN_NUMBER "P16" at 253.54,242.75 h0.8; PIN_NUMBER "N16" at 253.54,243.75 h0.8; PIN_NUMBER "AB18" at 255.22,234.75 h0.8; PIN_NUMBER "AB17" at 254.22,234.75 h0.8; PIN_NUMBER "AA18" at 255.22,235.75 h0.8; PIN_NUMBER "AA16" at 253.22,235.75 h0.8; PIN_NUMBER "Y17" at 254.54,236.75 h0.8; PIN_NUMBER "Y16" at 253.54,236.75 h0.8; PIN_NUMBER "M16" at 253.54,244.75 h0.8; PIN_NUMBER "AA2" at 239.54,235.75 h0.8; PIN_NUMBER "AA1" at 238.54,235.75 h0.8; PIN_NUMBER "Y8" at 245.86,236.75 h0.8; PIN_NUMBER "Y7" at 244.86,236.75 h0.8; PIN_NUMBER "Y6" at 243.86,236.75 h0.8; PIN_NUMBER "Y5" at 242.86,236.75 h0.8; PIN_NUMBER "Y3" at 240.86,236.75 h0.8; PIN_NUMBER "W8" at 245.86,237.75 h0.8; PIN_NUMBER "U8" at 245.86,239.75 h0.8; PIN_NUMBER "AB7" at 244.54,234.75 h0.8; PIN_NUMBER "AB6" at 243.54,234.75 h0.8; PIN_NUMBER "AB5" at 242.54,234.75 h0.8; PIN_NUMBER "AB4" at 241.54,234.75 h0.8; PIN_NUMBER "AA6" at 243.54,235.75 h0.8; PIN_NUMBER "AA4" at 241.54,235.75 h0.8; PIN_NUMBER "T8" at 245.86,240.75 h0.8; PIN_NUMBER "Y9" at 246.86,236.75 h0.8; PIN_NUMBER "W10" at 247.54,237.75 h0.8; PIN_NUMBER "W9" at 246.86,237.75 h0.8; PIN_NUMBER "V9" at 246.86,238.75 h0.8; PIN_NUMBER "U9" at 246.86,239.75 h0.8; PIN_NUMBER "T11" at 248.54,240.75 h0.8; PIN_NUMBER "T10" at 247.54,240.75 h0.8; PIN_NUMBER "R11" at 248.54,241.75 h0.8; PIN_NUMBER "AB10" at 247.22,234.75 h0.8; PIN_NUMBER "AB9" at 246.54,234.75 h0.8; PIN_NUMBER "AB8" at 245.54,234.75 h0.8; PIN_NUMBER "AA10" at 247.22,235.75 h0.8; PIN_NUMBER "AA8" at 245.54,235.75 h0.8; PIN_NUMBER "Y10" at 247.54,236.75 h0.8; PIN_NUMBER "R9" at 246.86,241.75 h0.8; PIN_NUMBER "Y11" at 248.54,236.75 h0.8; PIN_NUMBER "W13" at 250.54,237.75 h0.8; PIN_NUMBER "W12" at 249.54,237.75 h0.8; PIN_NUMBER "W11" at 248.54,237.75 h0.8; PIN_NUMBER "V13" at 250.54,238.75 h0.8; PIN_NUMBER "V11" at 248.54,238.75 h0.8; PIN_NUMBER "U13" at 250.54,239.75 h0.8; PIN_NUMBER "U12" at 249.54,239.75 h0.8; PIN_NUMBER "T12" at 249.54,240.75 h0.8; PIN_NUMBER "AB13" at 250.22,234.75 h0.8; PIN_NUMBER "AB12" at 249.22,234.75 h0.8; PIN_NUMBER "AB11" at 248.22,234.75 h0.8; PIN_NUMBER "AA12" at 249.22,235.75 h0.8; PIN_NUMBER "Y13" at 250.54,236.75 h0.8; PIN_NUMBER "Y12" at 249.54,236.75 h0.8; PIN_NUMBER "R13" at 250.54,241.75 h0.8; PIN_NUMBER "R8" at 245.86,241.75 h0.8; PIN_NUMBER "R7" at 244.86,241.75 h0.8; PIN_NUMBER "R4" at 241.86,241.75 h0.8; PIN_NUMBER "R3" at 240.86,241.75 h0.8; PIN_NUMBER "R1" at 238.86,241.75 h0.8; PIN_NUMBER "P8" at 245.86,242.75 h0.8; PIN_NUMBER "P7" at 244.86,242.75 h0.8; PIN_NUMBER "P6" at 243.86,242.75 h0.8; PIN_NUMBER "P5" at 242.86,242.75 h0.8; PIN_NUMBER "T6" at 243.86,240.75 h0.8; PIN_NUMBER "T5" at 242.86,240.75 h0.8; PIN_NUMBER "T4" at 241.86,240.75 h0.8; PIN_NUMBER "T3" at 240.86,240.75 h0.8; PIN_NUMBER "T2" at 239.86,240.75 h0.8; PIN_NUMBER "T1" at 238.86,240.75 h0.8; PIN_NUMBER "P4" at 241.86,242.75 h0.8; PIN_NUMBER "V7" at 244.86,238.75 h0.8; PIN_NUMBER "V5" at 242.86,238.75 h0.8; PIN_NUMBER "V3" at 240.86,238.75 h0.8; PIN_NUMBER "V2" at 239.86,238.75 h0.8; PIN_NUMBER "V1" at 238.86,238.75 h0.8; PIN_NUMBER "U6" at 243.86,239.75 h0.8; PIN_NUMBER "U4" at 241.86,239.75 h0.8; PIN_NUMBER "U3" at 240.86,239.75 h0.8; PIN_NUMBER "U1" at 238.86,239.75 h0.8; PIN_NUMBER "Y2" at 239.86,236.75 h0.8; PIN_NUMBER "Y1" at 238.86,236.75 h0.8; PIN_NUMBER "W6" at 243.86,237.75 h0.8; PIN_NUMBER "W4" at 241.86,237.75 h0.8; PIN_NUMBER "W3" at 240.86,237.75 h0.8; PIN_NUMBER "W1" at 238.86,237.75 h0.8; PIN_NUMBER "T7" at 244.86,240.75 h0.8; PIN_NUMBER "K6" at 243.86,246.75 h0.8; PIN_NUMBER "K5" at 242.86,246.75 h0.8; PIN_NUMBER "K4" at 241.86,246.75 h0.8; PIN_NUMBER "K3" at 240.86,246.75 h0.8; PIN_NUMBER "K2" at 239.86,246.75 h0.8; PIN_NUMBER "K1" at 238.86,246.75 h0.8; PIN_NUMBER "J7" at 244.86,247.75 h0.8; PIN_NUMBER "J6" at 243.86,247.75 h0.8; PIN_NUMBER "J4" at 241.86,247.75 h0.8; PIN_NUMBER "L6" at 243.86,245.75 h0.8; PIN_NUMBER "L4" at 241.86,245.75 h0.8; PIN_NUMBER "L3" at 240.86,245.75 h0.8; PIN_NUMBER "L1" at 238.86,245.75 h0.8; PIN_NUMBER "K8" at 245.86,246.75 h0.8; PIN_NUMBER "K7" at 244.86,246.75 h0.8; PIN_NUMBER "J3" at 240.86,247.75 h0.8; PIN_NUMBER "N3" at 240.86,243.75 h0.8; PIN_NUMBER "N1" at 238.86,243.75 h0.8; PIN_NUMBER "M8" at 245.86,244.75 h0.8; PIN_NUMBER "M7" at 244.86,244.75 h0.8; PIN_NUMBER "M6" at 243.86,244.75 h0.8; PIN_NUMBER "M5" at 242.86,244.75 h0.8; PIN_NUMBER "M4" at 241.86,244.75 h0.8; PIN_NUMBER "M3" at 240.86,244.75 h0.8; PIN_NUMBER "M2" at 239.86,244.75 h0.8; PIN_NUMBER "P3" at 240.86,242.75 h0.8; PIN_NUMBER "P2" at 239.86,242.75 h0.8; PIN_NUMBER "P1" at 238.86,242.75 h0.8; PIN_NUMBER "N7" at 244.86,243.75 h0.8; PIN_NUMBER "N6" at 243.86,243.75 h0.8; PIN_NUMBER "N4" at 241.86,243.75 h0.8; PIN_NUMBER "M1" at 238.86,244.75 h0.8; PIN_NUMBER "D2" at 239.86,252.75 h0.8; PIN_NUMBER "D1" at 238.86,252.75 h0.8; PIN_NUMBER "C1" at 238.86,253.75 h0.8; PIN_NUMBER "B3" at 240.86,254.75 h0.8; PIN_NUMBER "B2" at 239.86,254.75 h0.8; PIN_NUMBER "B1" at 238.86,254.75 h0.8; PIN_NUMBER "A5" at 242.86,255.75 h0.8; PIN_NUMBER "A4" at 241.86,255.75 h0.8; PIN_NUMBER "A3" at 240.86,255.75 h0.8; PIN_NUMBER "F1" at 238.86,250.75 h0.8; PIN_NUMBER "E4" at 241.86,251.75 h0.8; PIN_NUMBER "E3" at 240.86,251.75 h0.8; PIN_NUMBER "E1" at 238.86,251.75 h0.8; PIN_NUMBER "D4" at 241.86,252.75 h0.8; PIN_NUMBER "D3" at 240.86,252.75 h0.8; PIN_NUMBER "A2" at 239.86,255.75 h0.8; PIN_NUMBER "H2" at 239.86,248.75 h0.8; PIN_NUMBER "H1" at 238.86,248.75 h0.8; PIN_NUMBER "G7" at 244.86,249.75 h0.8; PIN_NUMBER "G6" at 243.86,249.75 h0.8; PIN_NUMBER "G4" at 241.86,249.75 h0.8; PIN_NUMBER "G3" at 240.86,249.75 h0.8; PIN_NUMBER "G1" at 238.86,249.75 h0.8; PIN_NUMBER "F5" at 242.86,250.75 h0.8; PIN_NUMBER "F3" at 240.86,250.75 h0.8; PIN_NUMBER "J1" at 238.86,247.75 h0.8; PIN_NUMBER "H8" at 245.86,248.75 h0.8; PIN_NUMBER "H6" at 243.86,248.75 h0.8; PIN_NUMBER "H5" at 242.86,248.75 h0.8; PIN_NUMBER "H4" at 241.86,248.75 h0.8; PIN_NUMBER "H3" at 240.86,248.75 h0.8; PIN_NUMBER "F2" at 239.86,250.75 h0.8; PIN_NUMBER "W19" at 256.54,237.75 h0.8; PIN_NUMBER "R18" at 255.54,241.75 h0.8; PIN_NUMBER "P14" at 251.54,242.75 h0.8; PIN_NUMBER "M12" at 249.54,244.75 h0.8; PIN_NUMBER "M14" at 251.54,244.75 h0.8; PIN_NUMBER "L13" at 250.54,245.75 h0.8; PIN_NUMBER "L18" at 255.54,245.75 h0.8; PIN_NUMBER "K14" at 251.54,246.75 h0.8; PIN_NUMBER "J15" at 252.54,247.75 h0.8; PIN_NUMBER "G18" at 255.54,249.75 h0.8; PIN_NUMBER "C6" at 243.86,253.75 h0.8; PIN_NUMBER "D6" at 243.86,252.75 h0.8; PIN_NUMBER "E7" at 244.86,251.75 h0.8; PIN_NUMBER "C8" at 245.86,253.75 h0.8; PIN_NUMBER "B7" at 244.86,254.75 h0.8; PIN_NUMBER "J9" at 246.86,247.75 h0.8; PIN_NUMBER "D10" at 247.54,252.75 h0.8; PIN_NUMBER "K10" at 247.54,246.75 h0.8; PIN_NUMBER "E11" at 248.54,251.75 h0.8; PIN_NUMBER "J11" at 248.54,247.75 h0.8; PIN_NUMBER "L11" at 248.54,245.75 h0.8; PIN_NUMBER "C12" at 249.54,253.75 h0.8; PIN_NUMBER "K12" at 249.54,246.75 h0.8; PIN_NUMBER "F13" at 250.54,250.75 h0.8; PIN_NUMBER "J13" at 250.54,247.75 h0.8; PIN_NUMBER "C14" at 251.54,253.75 h0.8; PIN_NUMBER "E14" at 251.54,251.75 h0.8; PIN_NUMBER "E15" at 252.54,251.75 h0.8; PIN_NUMBER "C16" at 253.54,253.75 h0.8; PIN_NUMBER "D16" at 253.54,252.75 h0.8; PIN_NUMBER "V4" at 241.86,238.75 h0.8; PIN_NUMBER "M10" at 247.54,244.75 h0.8; PIN_NUMBER "L9" at 246.86,245.75 h0.8; PIN_NUMBER "H7" at 244.86,248.75 h0.8; PIN_NUMBER "U7" at 244.86,239.75 h0.8; PIN_NUMBER "W7" at 244.86,237.75 h0.8; PIN_NUMBER "P10" at 247.54,242.75 h0.8; PIN_NUMBER "V10" at 247.54,238.75 h0.8; PIN_NUMBER "P12" at 249.54,242.75 h0.8; PIN_NUMBER "V14" at 251.54,238.75 h0.8; PIN_NUMBER "W16" at 253.54,237.75 h0.8; PIN_NUMBER "A9" at 246.86,255.75 h0.8; PIN_NUMBER "B18" at 255.54,254.75 h0.8; PIN_NUMBER "B17" at 254.54,254.75 h0.8; PIN_NUMBER "B15" at 252.54,254.75 h0.8; PIN_NUMBER "B11" at 248.54,254.75 h0.8; PIN_NUMBER "AA13" at 250.22,235.75 h0.8; PIN_NUMBER "A1" at 238.86,255.75 h0.8; PIN_NUMBER "AA22" at 259.22,235.75 h0.8; PIN_NUMBER "N2" at 239.86,243.75 h0.8; PIN_NUMBER "E2" at 239.86,251.75 h0.8; PIN_NUMBER "AB22" at 259.22,234.75 h0.8; PIN_NUMBER "U2" at 239.86,239.75 h0.8; PIN_NUMBER "AA17" at 254.22,235.75 h0.8; PIN_NUMBER "U21" at 258.54,239.75 h0.8; PIN_NUMBER "J21" at 258.54,247.75 h0.8; PIN_NUMBER "E21" at 258.54,251.75 h0.8; PIN_NUMBER "A11" at 248.54,255.75 h0.8; PIN_NUMBER "A13" at 250.54,255.75 h0.8; PIN_NUMBER "J2" at 239.86,247.75 h0.8; PIN_NUMBER "AB1" at 238.54,234.75 h0.8; PIN_NUMBER "AA9" at 246.54,235.75 h0.8; PIN_NUMBER "N21" at 258.54,243.75 h0.8; PIN_NUMBER "AA5" at 242.54,235.75 h0.8; PIN_NUMBER "A22" at 259.54,255.75 h0.8; PIN_NUMBER "N13" at 250.54,243.75 h0.8; PIN_NUMBER "N17" at 254.54,243.75 h0.8; PIN_NUMBER "R5" at 242.86,241.75 h0.8; PIN_NUMBER "N9" at 246.86,243.75 h0.8; PIN_NUMBER "L5" at 242.86,245.75 h0.8; PIN_NUMBER "G5" at 242.86,249.75 h0.8; PIN_NUMBER "N11" at 248.54,243.75 h0.8; PIN_NUMBER "B5" at 242.86,254.75 h0.8